# Altium PCB 7688A-KIT-V2.2.PcbDoc
Units mil, origin at the board's own origin, x right, y up, seen from the top; angles counter-clockwise.
Board outline 3543.31 x 3897.64 mil, 2 copper layers (Top Layer, Bottom Layer); 54 components, 98 nets, 335 pads, 168 vias.
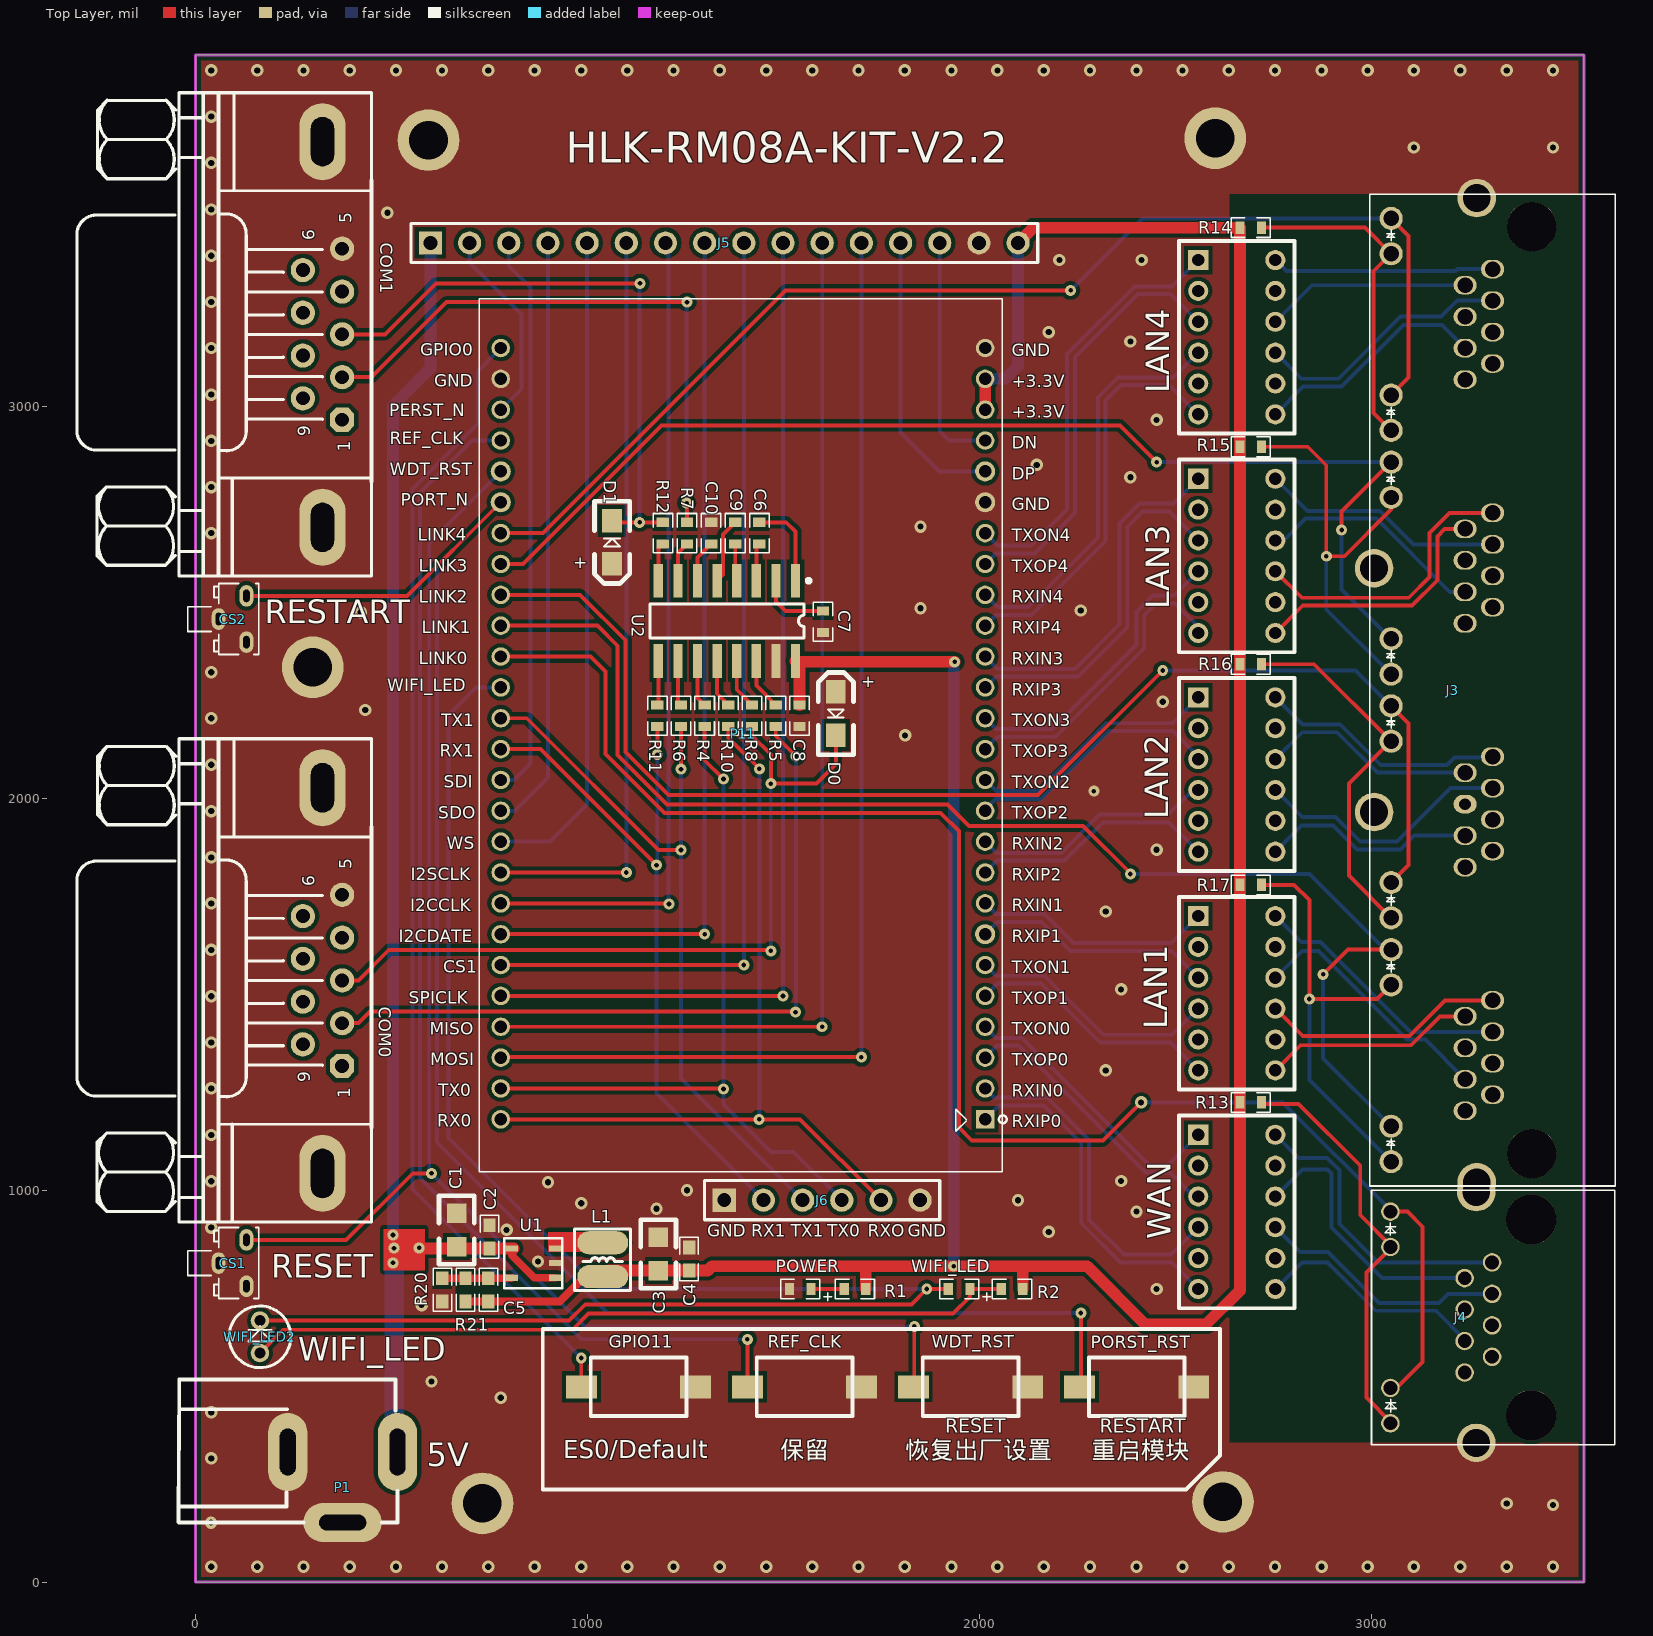
[diagram p0: Top Layer view]
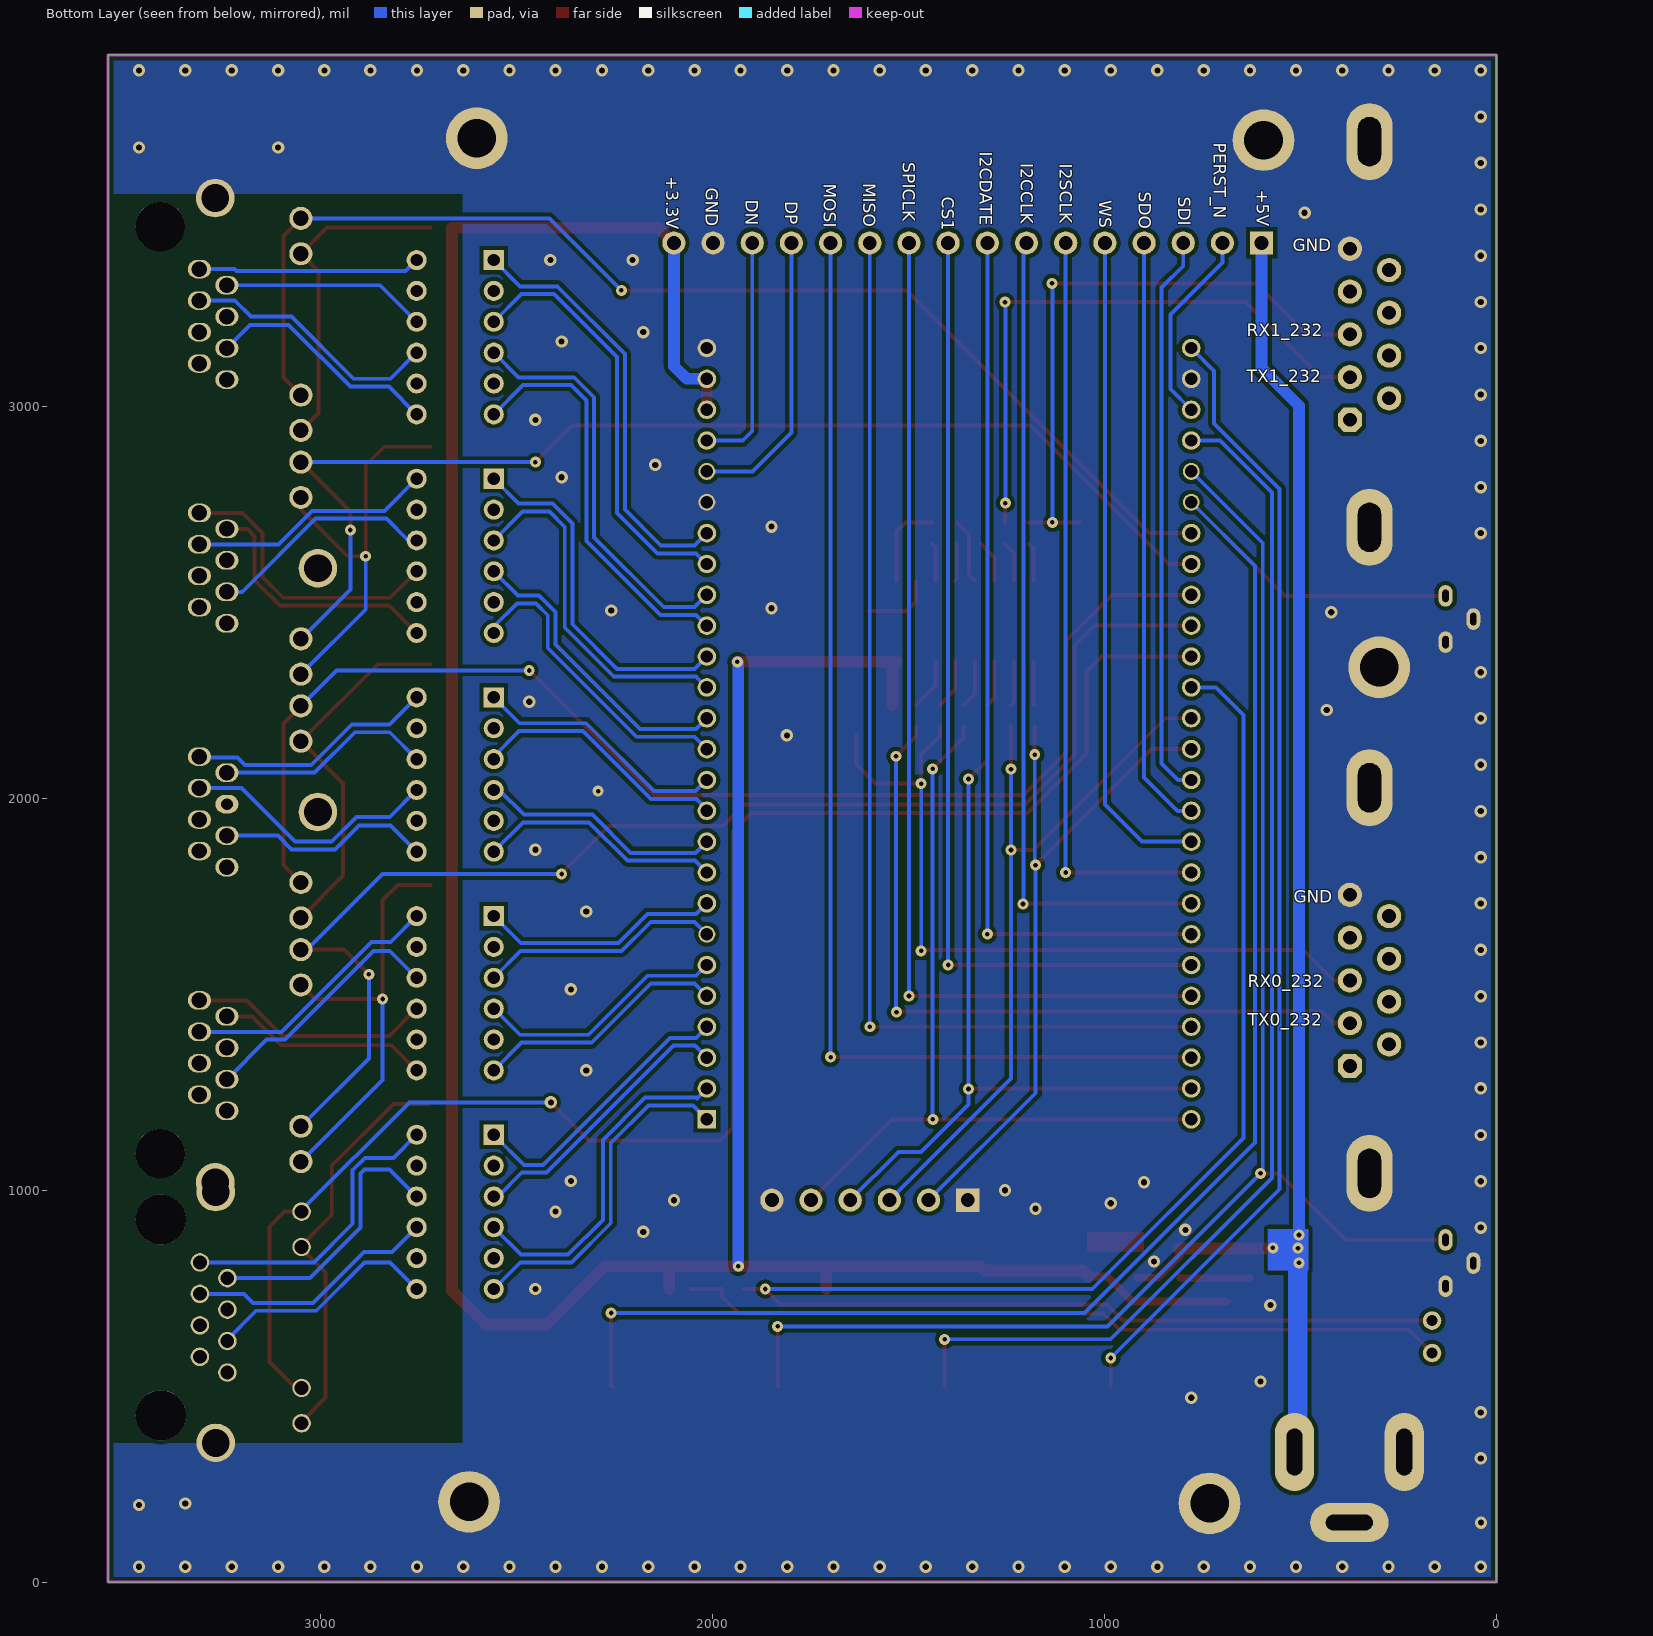
[diagram p1: Bottom Layer view, seen from below]

## Layer stack, top to bottom
Top Layer: signal copper 1.4
Dielectric: dielectric 12.6, FR-4, Dk 4.8
Bottom Layer: signal copper 1.4

## Board outline
0,0 3543.31,0 3543.31,3897.64 0,3897.64

## Design rules (kind name [scope] priority, off if disabled: settings)
Clearance keepout [(HasFootprint('MICRO_USB'))] p1: gap=5
Clearance router [All] p2: gap=10
Clearance polygons [All] p3: gap=20
PlaneConnect [All] p1: planeconnectstyle=Direct reliefexpansion=20 reliefentries=4 reliefconductorwidth=10 reliefairgap=10
PolygonConnect [All] p1: connectstyle=Direct reliefconductorwidth=10 reliefentries=4 polygonreliefangle="90 Angle"
RoutingVias [All] p1: holewidth=15.75 width=31.5 viastyle="Through Hole" minholewidth=12 minwidth=28 maxholewidth=28 maxwidth=50
SilkscreenOverComponentPads [IsPad] p1: minsilkscreentomaskgap=10
SolderMaskExpansion [All] p1: expansion=4
TestPointUsage [All] p1: valid=0 allowmultiple=FALSE
Testpoint [All] p1: side=3 testpointundercomponent=TRUE minsize=40 maxsize=100 preferedsize=60 minholesize=0 maxholesize=40 preferedholesize=32 testpointgrid=1 style=297 order=0123456789
Width [All] p1: maxlimit=40 minlimit=10 preferedwidth=10
22 further rules are at their usual default settings.

## Components (designator, comment, footprint, x,y, rotation, side; value= is the part's Value field where it differs from the comment)
C1 "10uF" 0805 666.48,861.28 r90 top (schematic designator C21)
C2 "104" 0603L 750.43,881.26 r90 top (schematic designator C22)
C3 "10uF" 0805 1181.21,800.11 r90 top (schematic designator C24)
C4 "104" 0603L 1259.84,824.6 r90 top (schematic designator C26)
C5 "100PF" 0603L 747.24,745.86 r90 top (schematic designator C23)
C6 "104" 0603 1438.99,2677.2 r90 top
C7 "104" 0603 1601.21,2450.94 r270 top
C8 "104" 0603 1541.21,2210.94 r270 top
C9 "104" 0603 1377.4,2677.2 r270 top
C10 "104" 0603 1315.82,2677.2 r270 top
COM0 "DB9" DB9s 374.02,1753.99 r90 top (schematic designator J1)
COM1 "DB9" DB9s 374.02,3402.82 r90 top locked (schematic designator J2)
CS1 "SW-PB" K5 59.06,814.24 r180 top
CS2 "SW-PB" K5 59.06,2457.94 r180 top
D0 "ZMM5V1" 1005D 1634.37,2271.7 r270 top
D1 "ZMM5V1" 1005D 1062.99,2598.43 r90 top
GPIO11 "SW-PB" SWITCH 1125.01,498.27 r180 top (schematic designator RESET4)
J3 "RJ45-4" RJ45-4-LED 3240.16,1824.8 r90 top
J4 "RJ45" RJ45-1-LED 3308.99,815.94 r90 top
J5 "2.54*16" HDR1X16 599.37,3417.7 r0 top
J6 "2.54*6" HDR1X6 1349.37,974.7 r0 top
L1 "4.7uH" L322520 1039.37,822.83 r0 top (schematic designator L2)
LAN1 "TF-1016DG" tf-1016dg 2559.06,1699.8 r270 top locked
LAN2 "TF-1016DG" tf-1016dg 2559.06,2257.87 r270 top locked
LAN3 "TF-1016DG" tf-1016dg 2559.06,2815.94 r270 top locked
LAN4 "TF-1016DG" tf-1016dg 2559.06,3374.02 r270 top locked
P1 "PWR2.5" POWER_STK1 375.37,352 r0 top locked
P11 "RM08A" RM08K_52pin 2015.2,1181.1 r90 top locked
PORST_RST "SW-PB" SWITCH 2396.11,498.27 r180 top (schematic designator RESET1)
POWER "" 0603LED 1543.31,748.06 r180 top (schematic designator LED1)
R1 "Res1" 0603 1682.86,748.06 r0 top
R2 "Res1" 0603 2083.89,748.06 r0 top
R4 "0" 0603 1299.48,2210.94 r90 top
R5 "0" 0603 1480.78,2210.94 r270 top
R6 "0" 0603 1239.05,2210.94 r90 top
R7 "0" 0603 1254.23,2677.2 r90 top
R8 "0" 0603 1420.35,2210.94 r270 top
R10 "0" 0603 1359.92,2210.94 r90 top
R11 "0" 0603 1178.62,2210.94 r90 top
R12 "0" 0603 1192.65,2677.2 r90 top
R13 "Res1" 0603 2692.91,1224.41 r180 top (schematic designator R1)
R14 "Res1" 0603 2692.91,3456.69 r180 top (schematic designator R1)
R15 "Res1" 0603 2692.91,2897.64 r180 top (schematic designator R1)
R16 "Res1" 0603 2692.91,2342.52 r180 top (schematic designator R1)
R17 "Res1" 0603 2692.91,1779.53 r180 top (schematic designator R1)
R20 "Res1" 0603L 629.92,745.86 r90 top (schematic designator R10)
R21 "Res1" 0603L 688.98,745.86 r270 top (schematic designator R9)
REF_CLK "SW-PB" SWITCH 1548.71,498.27 r180 top (schematic designator RESET3)
U1 "SY8009" SOT-25 917.32,776.59 r90 top (schematic designator LDO1)
U2 "SP3232" MAX3232 1161.21,2510.94 r0 top
WAN "TF-1016DG" tf-1016dg 2559.06,1141.73 r270 top locked
WDT_RST "SW-PB" SWITCH 1972.41,498.27 r180 top (schematic designator RESET2)
WIFI_LED "" 0603LED 1948.82,748.06 r180 top (schematic designator LED2)
WIFI_LED2 "" LED0.2 164.37,584.65 r90 top

## Footprints (in the part's own frame and the unit in brackets; to place one, negate y for a bottom-side part, rotate by r counter-clockwise, add the part's x,y. Pads: shape width x height; smd on the part's side, far side on the other; paste and mask are expansions set on the pad)
0603 [mm]
  rect 0.6x0.8 smd: 1(-0.7,0) 2(0.7,0)
  silkscreen extent -1.27,-0.64 1.27,0.64
0603L [mm]
  rect 0.9x0.8 smd: 1(-0.75,0) 2(0.75,0)
  silkscreen extent -1.4,-0.6 1.4,0.6
0603LED [mm]
  rect 0.6x0.8 smd: 1(-0.7,0) 2(0.7,0)
  silkscreen extent -2.03,-0.64 1.27,0.76
0805 [mil]
  rect 50x50 smd: 1(-5,0) 2(80,0)
  silkscreen extent -50,-45 125,45
1005D [mil]
  rect 60x50 smd: 1(0,0) 2(110,0)
  silkscreen extent -50,-45 160,45
DB9s [mil]
  oval 196.85x118.11 hole 59.06 slot 125.98 at 0 deg: 0(273.33,50) 10(-710.83,50)
  oct 62x62 hole 35: 1(-436.67,0)
  round 62 hole 35: 2(-327.5,0) 5(0,0) 6(-54.17,100) 7(-163.33,100) 8(-272.5,100) 9(-381.67,100)
  round 62.01 hole 35: 3(-218.35,0) 4(-109.17,0)
  silkscreen extent -835,-75 398,677
HDR1X6 [mm] "Connector; Header; 6 Position"
  rect 1.5x1.5 hole 0.9: 1(0,0)
  round 1.5 hole 0.9: 2(2.54,0) 3(5.08,0) 4(7.62,0) 5(10.16,0) 6(12.7,0)
  silkscreen extent -1.27,-1.27 13.97,1.27
HDR1X16 [mm] "Connector; Header; 16 Position"
  rect 1.5x1.5 hole 0.9: 1(0,0)
  round 1.5 hole 0.9: 2(2.54,0) 3(5.08,0) 4(7.62,0) 5(10.16,0) 6(12.7,0) 7(15.24,0) 8(17.78,0) 9(20.32,0) 10(22.86,0) 11(25.4,0) 12(27.94,0) 13(30.48,0) 14(33.02,0) 15(35.56,0) 16(38.1,0)
  silkscreen extent -1.27,-1.27 39.37,1.27
K5 [mm]
  oval 0.9x1.4 hole 0.4 slot 0.8 at 90 deg: 1(-1.8,1.5) 2(-1.8,-1.5) 3(0,0)
  silkscreen extent -2.6,-2.3 2,2.3
L322520 [mm]
  oval 3.3x1.5 smd: 1(0,1.1) 2(0,-1.1)
  silkscreen extent -1.83,-1.99 1.79,2
LED0.2 [mm]
  round 1.2 hole 0.7: 1(0,0) 2(2.1,0)
  silkscreen extent -0.95,-2 3.05,2
MAX3232 [mm]
  rect 0.6x2.2 smd: 1(9.398,1.136) 2(8.128,1.136) 3(6.858,1.136) 4(5.588,1.136) 5(4.318,1.136) 6(3.048,1.136) 7(1.778,1.136) 8(0.508,1.136) 9(0.508,-4.064) 10(1.778,-4.064) 11(3.048,-4.064) 12(4.318,-4.064) 13(5.588,-4.064) 14(6.858,-4.064) 15(8.128,-4.064) 16(9.398,-4.064)
  silkscreen extent -0.05,-2.56 10.37,1.26
POWER_STK1 [mil]
  oval 100x200 hole 40 slot 120 at 90 deg: 1(-140,-20) 2(140,-20)
  oval 200x100 hole 40 slot 120 at 0 deg: 3(0,-200)
  silkscreen extent -418,-200 140,165
RJ45-1-LED [mm]
  round 2.5 hole 1.8: 0(4.56,1.02) 13(-11.7,1.02)
  round 1.2 hole 0.89: 1(0,0) 2(-1.02,1.78) 3(-2.04,0) 4(-3.06,1.78) 5(-4.08,0) 6(-5.1,1.78) 7(-6.12,0) 8(-7.14,1.78) 9(3.29,6.59) 10(1,6.59) 11(-8.14,6.59) 12(-10.43,6.59)
  round 3.25 hole 3.25: ""(-9.92,-2.54) ""(2.78,-2.54)
  silkscreen extent -11.81,-7.96 4.67,7.82
RJ45-4-LED [mm]
  round 2.5 hole 1.8: 0(43.37,-0.76) 49(-20.43,-0.76) ""(3.57,5.902) ""(19.37,5.902)
  round 1.5 hole 1: 1(42.051,4.797) 2(39.761,4.797) 11(30.6,4.8) 12(28.31,4.8) 13(26.251,4.797) 14(23.961,4.797) 23(14.8,4.8) 24(12.51,4.8) 25(10.451,4.797) 26(8.161,4.797) 35(-1,4.8) 36(-3.29,4.8) 37(-5.349,4.797) 38(-7.639,4.797) 47(-16.8,4.8) 48(-19.09,4.8)
  oval 1.2x1.5 hole 1: 3(38.761,-1.778) 4(37.72,0) 5(36.721,-1.778) 6(35.68,0) 7(34.681,-1.778) 8(33.64,0) 9(32.641,-1.778) 10(31.6,0) 15(22.961,-1.778) 16(21.92,0) 17(20.921,-1.778) 18(19.88,0) 19(18.881,-1.778) 20(17.84,0) 21(16.841,-1.778) 22(15.8,0) 27(7.161,-1.778) 28(6.12,0) 29(5.121,-1.778) 31(3.081,-1.778) 32(2.04,0) 33(1.041,-1.778) 34(0,0) 39(-8.639,-1.778) 40(-9.68,0) 41(-10.679,-1.778) 42(-11.72,0) 43(-12.719,-1.778) 44(-13.76,0) 45(-14.759,-1.778) 46(-15.8,0)
  oval 1.2x1.5 hole 0.762: 30(4.08,0)
  round 3.2 hole 3.2: ""(-18.58,-4.32) ""(41.52,-4.32)
  silkscreen extent -20.67,-9.72 43.61,6.18
RM08K_52pin [mm]
  rect 1.2x1.2 hole 0.8: 1(0,0)
  round 1.2 hole 0.8: 2(2,0) 3(4,0) 4(6,0) 5(8,0) 6(10,0) 8(14,0) 9(16,0) 10(18,0) 11(20,0) 12(22,0) 13(24,0) 14(26,0) 15(28,0) 16(30,0) 17(32,0) 18(34,0) 19(36,0) 20(38,0) 23(44,0) 24(46,0) 25(48,0) 26(50,0) 27(50,31.4) 28(48,31.4) 29(46,31.4) 30(44,31.4) 33(38,31.4) 34(36,31.4) 35(34,31.4) 36(32,31.4) 37(30,31.4) 38(28,31.4) 39(26,31.4) 40(24,31.4) 41(22,31.4) 42(20,31.4) 43(18,31.4) 44(16,31.4) 45(14,31.4) 46(12,31.4) 47(10,31.4) 48(8,31.4) 49(6,31.4) 50(4,31.4) 51(2,31.4) 52(0,31.4)
  round 1.3 / inner round 1.1 / far side round 1.1 hole 0.8: 7(12,0) 22(42,0)
  round 1.3 / inner round 1.3 / far side round 1.1 hole 0.8: 21(40,0) 31(42,31.4) 32(40,31.4)
  silkscreen extent -3.4,-1.4 53.2,32.8
SOT-25 [mm]
  rect 0.4x0.8 smd: 1(0,0) 2(0.95,0) 3(1.9,0) 4(1.9,2.8) 5(0,2.8)
  silkscreen extent -0.68,-0.48 2.58,3.28
SWITCH [mm]
  rect 2x1.5 smd: 1(-3.844,0) 2(3.556,0)
  silkscreen extent -3.24,-1.9 2.96,1.9
tf-1016dg [mm]
  rect 1.3x1.3 hole 0.8: 1(0,0)
  round 1.3 hole 0.8: 2(2,0) 3(4,0) 4(6,0) 5(8,0) 6(10,0) 7(10,5) 8(8,5) 9(6,5) 10(4,5) 11(2,5) 12(0,5)
  silkscreen extent -1.25,-1.25 11.25,6.25

## Part data
C1 C2 C3 C4: library part PART_C0603
C5: library part PART_C0201
C6 C7 C8 C9 C10: library part Cap, "Capacitor"
GPIO11 PORST_RST REF_CLK WDT_RST: "Switch"
L1: library part PART_LL
P1: "Low Voltage Power Supply Connector"
POWER WIFI_LED: library part LED
R1 R2 R13 R14 R15 R16 R17: "Resistor"
R4 R5 R6 R7 R8 R10 R11 R12: library part Res2, "Resistor"
R20 R21: library part PART_R0201
U1: library part LDO
U2: library part MAX232ACPE, "+5V Powered, Multi-Channel RS-232 Driver/Receiver"

## Free pads (board coordinates)
  round 157.48 hole 98.43: 0(299.21,2334.65) 1(594.49,3680.09) 1(2602.36,3685.04) 2(2622.05,204.72) 3(732.28,200.79)

## Via types
v1: diameter 31.5, hole 15.75, Top Layer to Bottom Layer, tented both sides, 124 vias
v2: diameter 28, hole 12, Top Layer to Bottom Layer, tented both sides, 44 vias

## Nets (pads, with @x,y where several pads share a name; then routed paths per layer and width w, separated by ;. In a path a pad name is that pad's centre, name@x,y a point inside that pad or via, vN(x,y) a via of type N, cw(c..) or ccw(c..) an arc to the next point about the centre after c; other vN are vias at no path point)
+3.3V: C3.1 C4.1 C5.1 C8.1 J5.16 L1.2 P11.24 P11.25 R1.2 R2.2 R13.2 R14.2 R15.2 R16.2 R17.2 R21.2 U2.16 | length 8077.6
  Top Layer w20: R21.2 C5.1 929.33,716.33 992.52,779.52 L1.2
  Top Layer w30: L1.2 1054.95,795.11 C3.1 1306.92,795.11 1317.91,806.1 1708.66,806.1 ; U2.16 U2.16@1533.45,2348.7 ; C8.1 1541.21,2340.94 U2.16@1533.45,2348.7 ; R1.2 1710.42,804.35 1708.66,806.1 ; v2(1937.37,2348.7) U2.16@1533.45,2348.7 ; P11.24 P11.25 ; J5.16 2138.36,3456.69 R14.2 R15.2 R16.2 R17.2 R13.2 2665.35,744.09 2578.74,657.48 2424.21,657.48 2275.59,806.1 2110.24,806.1 ; R2.2 2111.45,804.89 2110.24,806.1 ; 1708.66,806.1 v2(1935.04,806.1) 2110.24,806.1
  Bottom Layer w30: v2(1935.04,806.1) 1935.04,2346.37 v2(1937.37,2348.7) ; P11.25 2066.54,3070.87 2099.37,3103.7 J5.16
CS1: J5.9 P11.47 | length 2463.3
  Top Layer w10: P11.47 v2(1399.37,1574.8)
  Bottom Layer w10: v2(1399.37,1574.8) J5.9
DN: J5.14 P11.23 | length 605.9
  Bottom Layer w10: J5.14 1899.37,2937.7 1923.68,2913.39 P11.23
DP: J5.13 P11.22 | length 740.9
  Bottom Layer w10: J5.13 1799.37,2933.7 1898.43,2834.65 P11.22
GND: C1.2 C2.2 C3.2 C4.2 C7.2 C8.2 C10.1 COM0.0 COM0.5 COM0.10 COM1.0 COM1.5 COM1.10 CS1.1 CS1.3 CS2.1 CS2.3 D0.1 D1.1 GPIO11.1 J3.0 J4.13 J5.15 J6.1 J6.6 P1.1 P1.3 P11.21 P11.26 P11.28 pad.0 pad.1 pad.2 pad.3 PORST_RST.1 POWER.2 R20.1 REF_CLK.1 U1.2 U2.15 WDT_RST.1
  other v1: 40.16,39.37 157.48,39.37 275.59,39.37 393.7,39.37 511.81,39.37 629.13,39.37 747.24,39.37 865.35,39.37 984.37,39.37 1101.69,39.37 1219.8,39.37 1337.91,39.37 1456.69,39.37 1574.02,39.37 1692.13,39.37 1810.24,39.37 1929.13,39.37 2046.46,39.37 2164.57,39.37 2282.68,39.37 2401.57,39.37 2518.9,39.37 2637.01,39.37 2755.12,39.37 2874.02,39.37 2991.34,39.37 3109.45,39.37 3227.56,39.37 3346.46,39.37 3464.57,39.37 39.37,151.76 3464.57,196.85 3346.46,200.79 40.16,315.75 40.16,433.07 778.98,470.55 602.36,511.81 577,707 2452.81,748.03 874,818.03 2177.52,893.89 794,899 40.16,904.72 2401.57,945.47 1176.37,953 984.37,966.96 2098.89,974.7 1254.37,1000.1 899.37,1020.47 40.16,1022.83 2362.2,1023.62 40.16,1140.94 40.16,1259.96 2322.83,1306.1 40.16,1377.28 40.16,1495.39 2362.2,1512.68 40.16,1613.5 2322.83,1711.5 40.16,1732.28 40.16,1849.61 2452.81,1868.98 40.16,1967.72 40.16,2085.83 1811.02,2160.94 40.16,2204.72 433.07,2225.94 2468.5,2246.7 40.16,2322.05 421.78,2475.43 2259.37,2479.7 1850.39,2485.61 40.16,2677.17 1850.39,2693.78 40.16,2794.49 2385.83,2819.67 2146.78,2851.26 40.16,2912.6 2452.81,2966.15 40.16,3030.71 40.16,3149.61 2385.83,3166.22 2177.52,3190.21 40.16,3266.93 2204.72,3374.02 2414.55,3374.02 40.16,3385.04 489.54,3494.72 40.16,3503.15 40.16,3622.05 3109.45,3661.42 3464.57,3661.42 40.16,3740.16 40.16,3858.27 157.48,3858.27 275.59,3858.27 393.7,3858.27 511.81,3858.27 629.13,3858.27 747.24,3858.27 865.35,3858.27 984.37,3858.27 1101.69,3858.27 1219.8,3858.27 1337.91,3858.27 1456.69,3858.27 1574.02,3858.27 1692.13,3858.27 1810.24,3858.27 1929.13,3858.27 2046.46,3858.27 2164.57,3858.27 2282.68,3858.27 2401.57,3858.27 2518.9,3858.27 2637.01,3858.27 2755.12,3858.27 2874.02,3858.27 2991.34,3858.27 3109.45,3858.27 3227.56,3858.27 3346.46,3858.27 3464.57,3858.27
  other v2: 2292.67,2018.7
GPIO: GPIO11.2 P11.27 | length 2923.6
  Top Layer w10: v2(984.37,571.7) 984.37,498.91 GPIO11.2
  Bottom Layer w10: P11.27 720.39,3091.02 720.39,2956.61 553.36,2789.58 553.36,1002.71 v2(984.37,571.7)
I2CCLK: J5.7 P11.45 | length 2131.7
  Top Layer w10: P11.45 1206.79,1732.28 v2(1208.37,1730.7)
  Bottom Layer w10: J5.7 1207.37,3409.7 1207.37,1740.28 1199.37,1732.28 1200.95,1730.7 v2(1208.37,1730.7)
I2CDATE: J5.8 P11.46 | length 2284.5
  Top Layer w10: P11.46 v2(1299.37,1653.54)
  Bottom Layer w10: v2(1299.37,1653.54) J5.8
I2SCLK: J5.6 P11.44 | length 1927.1
  Top Layer w10: P11.44 v2(1099.37,1811.02)
  Bottom Layer w10: v2(1099.37,1811.02) J5.6
L0: J4.10 J4.12 R13.1 | length 1064.4
  Top Layer w10: R13.1 2724.41,1220.47 2814.96,1220.47 2972.44,1062.99 2972.44,936.42 3053.54,855.31 2988,789.77 2988,470.86 J4.12@3053.54,405.31
L1: J3.38 J3.48 R17.1 | length 1115.7
  Top Layer w10: R17.1 2803.82,1779.53 2842.52,1740.83 v2(2842.52,1488.19) 3015.42,1488.19 J3.38
  Bottom Layer w10: v2(2842.52,1488.19) 2842.52,1281.89 J3.48
L2: J3.26 J3.36 R16.1 | length 952.2
  Top Layer w10: R16.1 2854.9,2342.52 J3.26 2943.58,2038.4 2943.58,1802.87 J3.36
L3: J3.14 J3.24 R15.1 | length 1032.2
  Top Layer w10: R15.1 2838.58,2897.64 2885.83,2850.39 v2(2885.83,2618.11) 2932.09,2618.11 3051.3,2737.32 J3.14
  Bottom Layer w10: v2(2885.83,2618.11) 2885.83,2482.68 J3.24
L4: J3.2 J3.12 R14.1 | length 846.1
  Top Layer w10: R14.1 2984.82,3456.69 J3.2 3006.65,3345.57 3006.65,2983.9 J3.12
LINK0: J4.9 J4.11 P11.37 | length 4053
  Top Layer w10: P11.37 1007.87,2362.2 1046.37,2323.7 1046.37,2113.13 1196.5,1963 1901.74,1963 1948,1916.74 1948,1160 1981,1127 2315.98,1127 v1(2413.39,1224.41) ; J4.11@3053.54,495.47 3064.81,495.47 3131.54,562.19 3131.54,906.85 3092.91,945.47 J4.9@3053.54,945.47
  Bottom Layer w10: v1(2413.39,1224.41) 2774.61,1224.41 J4.9@3053.54,945.47
LINK1: J3.37 J3.47 P11.36 | length 3438
  Top Layer w10: P11.36 1026.13,2440.94 1077.37,2389.7 1077.37,2110.42 1202.79,1985 1918.88,1985 1974,1929.88 2265.19,1929.88 v2@2386.91,1808.17 ; v2(2877.95,1551.18) 2941,1614.23 J3.37
  Bottom Layer w10: v2(2385.83,1807.09) 2843.24,1807.09 3036.1,1614.23 J3.37 ; v2(2877.95,1551.18) 2877.95,1336.61 J3.47
LINK2: J3.25 J3.35 P11.35 | length 3308
  Top Layer w10: P11.35 981.39,2519.68 1097.37,2403.7 1097.37,2118.7 1207.45,2008.62 2150.35,2008.62 v2(2468.5,2326.77) ; J3.35 3095.83,1830.08 3095.83,2191.75 J3.25
  Bottom Layer w10: v2(2468.5,2326.77) 2960.8,2326.77 J3.25
LINK3: J3.13 J3.23 P11.34 | length 3012.8
  Top Layer w10: P11.34 836.09,2598.42 1189.68,2952.01 2359.13,2952.01 v2(2452.81,2858.32) ; v2(2925.2,2685.04) 2925.2,2732.22 J3.13
  Bottom Layer w10: v2(2452.81,2858.32) J3.13 ; v2(2925.2,2685.04) 2925.2,2533.46 J3.23
LINK4: J3.1 J3.11 P11.33 | length 3092.8
  Top Layer w10: P11.33 886.55,2677.16 1506.09,3296.7 v2(2233.37,3296.7) ; J3.11 3095.83,3074.17 3095.83,3435.84 J3.1
  Bottom Layer w10: v2(2233.37,3296.7) 2417.04,3480.37 J3.1
MISO: J5.11 P11.49 | length 2820.8
  Top Layer w10: P11.49 v2(1599.37,1417.32)
  Bottom Layer w10: v2(1599.37,1417.32) J5.11
MOSI: J5.12 P11.50 | length 2998.8
  Top Layer w10: P11.50 780.1,1339.7 v2(1699.37,1339.7)
  Bottom Layer w10: v2(1699.37,1339.7) J5.12
NetC5_2: C5.2 R20.2 R21.1 U1.5 | length 177.7
  Top Layer w20: R20.2 R21.1 C5.2 805.89,775.39 U1.5
NetC6_1: C6.1 U2.3 | length 97.2
  Top Layer w10: U2.3 1431.21,2641.87 C6.1
NetC6_2: C6.2 U2.1 | length 227.5
  Top Layer w10: C6.2 1507.62,2704.76 1531.21,2681.16 U2.1
NetC7_1: C7.1 U2.2 | length 182.9
  Top Layer w10: U2.2 1481.21,2502.86 1505.57,2478.5 C7.1
NetC9_1: C9.1 U2.5 | length 168.2
  Top Layer w10: U2.5 1346.65,2571.1 1346.65,2674.01 C9.1
NetC9_2: C9.2 U2.4 | length 95.6
  Top Layer w10: C9.2 1377.4,2559.47 U2.4
NetC10_2: C10.2 U2.6 | length 108.3
  Top Layer w10: U2.6 1281.21,2615.03 C10.2
NetJ3_3: J3.3 LAN4.12 | length 568.1
  Bottom Layer w10: LAN4.12 2784.24,3345.68 3215.47,3345.68 3220.63,3350.84 J3.3
NetJ3_4: J3.4 LAN4.10 | length 522.9
  Bottom Layer w10: LAN4.10 2849.21,3309.84 J3.4
NetJ3_5: J3.5 LAN4.9 | length 664.4
  Bottom Layer w10: LAN4.9 2822.52,3071.18 2916.91,3071.18 3075.26,3229.53 3179.02,3229.53 3220.02,3270.53 J3.5
NetJ3_8: J3.8 LAN4.7 | length 603.5
  Bottom Layer w10: LAN4.7 2826.77,3051.18 2925.2,3051.18 3082.68,3208.66 3180.71,3208.66 J3.8
NetJ3_15: J3.15 LAN3.9 | length 737.8
  Top Layer w10: LAN3.9 2823.5,2512.13 3096.34,2512.13 3149.29,2565.08 3149.29,2677.34 3200.75,2728.8 J3.15
NetJ3_16: J3.16 LAN3.7 | length 660
  Top Layer w10: LAN3.7 2825.79,2492.13 3104.62,2492.13 3169.29,2556.79 3169.29,2669.06 3188.03,2687.8 J3.16
NetJ3_17: J3.17 LAN3.12 | length 623.6
  Bottom Layer w10: LAN3.12 2837.81,2734.04 3022.45,2734.04 3108.01,2648.48 J3.17
NetJ3_20: J3.20 LAN3.10 | length 584.7
  Bottom Layer w10: LAN3.10 2777.24,2658.46 2832.82,2714.04 3014.17,2714.04 3201.04,2527.17 J3.20
NetJ3_27: J3.27 LAN2.12 | length 634.2
  Bottom Layer w10: LAN2.12 2824.8,2188.98 2921.57,2188.98 3024.8,2085.75 3194.02,2085.75 3212.64,2104.37 3307.78,2104.37 J3.27
NetJ3_28: J3.28 LAN2.10 | length 555.4
  Bottom Layer w10: LAN2.10 2824.49,2168.98 2913.29,2168.98 3016.52,2065.75 J3.28
NetJ3_29: J3.29 LAN2.9 | length 665.5
  Bottom Layer w10: LAN2.9 2824.49,1953.07 2909.13,1953.07 2972.44,1889.76 3066.6,1889.76 3203.27,2026.43 J3.29
NetJ3_32: J3.32 LAN2.7 | length 551.5
  Bottom Layer w10: LAN2.7 2822.2,1930.47 2903.45,1930.47 2964.16,1869.76 3074.88,1869.76 3110.24,1905.12 J3.32
NetJ3_39: J3.39 LAN1.9 | length 620.9
  Top Layer w10: LAN1.9 2825.79,1393.7 3097.7,1393.7 3188.7,1484.7 J3.39
NetJ3_40: J3.40 LAN1.7 | length 541.2
  Top Layer w10: LAN1.7 2819.88,1370.08 3102.36,1370.08 3175.98,1443.7 J3.40
NetJ3_41: J3.41 LAN1.12 | length 676.6
  Bottom Layer w10: LAN1.12 2821.85,1633.86 2870.8,1633.86 3100.28,1404.39 J3.41
NetJ3_44: J3.44 LAN1.10 | length 648.5
  Bottom Layer w10: LAN1.10 2824.49,1610.91 2865.47,1610.91 3091.99,1384.39 3138.84,1384.39 J3.44
NetJ4_1: J4.1 WAN.12 | length 772
  Bottom Layer w10: WAN.12 2814.96,1082.68 2887.8,1082.68 2919.04,1051.44 2919.04,914.96 3018.06,815.94 J4.1@3312.99,815.94
NetJ4_2: J4.2 WAN.10 | length 711.6
  Bottom Layer w10: WAN.10 2824.9,1053.24 2888.95,1053.24 2899.04,1043.16 2899.04,904.72 3027.98,775.79 J4.2@3242.91,775.79
NetJ4_3: J4.3 WAN.9 | length 646.5
  Bottom Layer w10: WAN.9 2818.9,842.52 2890.49,842.52 3020.41,712.6 3173.23,712.6 3196.26,735.63 J4.3@3312.99,735.63
NetJ4_6: J4.6 WAN.7 | length 598.3
  Bottom Layer w10: WAN.7 2823.82,815.94 2888.78,815.94 3012.13,692.6 3165.47,692.6 J4.6@3242.91,615.16
NETL: J3.49 J4.0
NetL1_1: L1.1 U1.3
NetPOWER_1: POWER.1 R1.1 | length 84.4
  Top Layer w10: POWER.1 R1.1
NetR2_1: R2.1 WIFI_LED2.1 WIFI_LED.1 | length 1971.2
  Top Layer w10: WIFI_LED2.1 223.72,644 962,644 1003.04,685.04 1933.07,685.04 1976.38,728.35 WIFI_LED.1 R2.1
NetR4_2: R4.2 U2.11 | length 120
  Top Layer w10: U2.11 1281.21,2256.76 R4.2
NetR5_1: R5.1 U2.14 | length 133
  Top Layer w10: U2.14 1431.21,2288.06 R5.1
NetR6_2: R6.2 U2.10 | length 115.7
  Top Layer w10: U2.10 1231.21,2246.33 R6.2
NetR7_1: R7.1 U2.7 | length 103.5
  Top Layer w10: U2.7 1231.21,2626.62 R7.1
NetR8_1: R8.1 U2.13 | length 128.7
  Top Layer w10: U2.13 1381.21,2277.63 R8.1
NetR10_2: R10.2 U2.12 | length 124.3
  Top Layer w10: U2.12 1331.21,2267.2 R10.2
NetR11_2: R11.2 U2.9 | length 113.5
  Top Layer w10: R11.2 1181.21,2241.09 U2.9
NetR12_1: R12.1 U2.8 | length 98.7
  Top Layer w10: U2.8 1181.21,2638.2 R12.1
PORST_RST: CS2.2 P11.32 PORST_RST.2 | length 4462.5
  Top Layer w10: CS2.2 540.07,2516.99 P11.32 ; PORST_RST.2 2259.37,501.53 v2(2259.37,686.7)
  Bottom Layer w10: P11.32 616.37,2593.29 616.37,1121.84 1051.51,686.7 v2(2259.37,686.7)
REF_CLK: P11.30 REF_CLK.2 | length 3137.4
  Top Layer w10: v2(1408.37,619.7) 1408.37,498.61 REF_CLK.2
  Bottom Layer w10: P11.30 705.46,2913.39 573.36,2781.29 573.36,1031.3 984.96,619.7 v2(1408.37,619.7)
RERST: J5.2 P11.29 | length 502.5
  Bottom Layer w10: J5.2 699.37,3367.63 832,3235 832,3045.14 P11.29
RX0: J6.5 P11.52 R10.1 | length 2077.9
  Top Layer w10: P11.52 v2@1425.93,1181.1 ; R10.1 1359.92,2154.77 v2(1438.99,2075.7) ; v2(1438.37,1181.1) 1542.97,1181.1 J6.5
  Bottom Layer w10: v2@1438.99,1181.72 v2(1438.99,2075.7)
RX0_232: COM0.3 D0.2 R8.2 | length 1980.9
  Top Layer w10: COM0.3 415.41,1535.65 493.19,1613.42 1465.98,1613.42 v2(1468.32,1611.09) ; R8.2 1420.35,2159.72 1468.37,2111.7 v2(1468.37,2037.7) 1584.37,2037.7 1634.37,2087.7 D0.2
  Bottom Layer w10: v2@1467.99,2038.09 1467.99,1611.42 v2(1468.32,1611.09)
RX1: J6.2 P11.40 R11.1 | length 1842.8
  Top Layer w10: P11.40 880.09,2125.98 v2(1176.37,1829.7) ; v2(1178.37,2111.7) 1178.62,2111.95 R11.1
  Bottom Layer w10: v2(1178.37,2111.7) 1178.37,1831.7 v2(1176.37,1829.7) 1176.37,1247.7 J6.2
RX1_232: COM1.3 D1.2 R12.2 | length 1555.8
  Top Layer w10: COM1.3 483.94,3184.47 614.17,3314.7 v2(1134.37,3314.7) ; D1.2 1066.66,2704.76 v2(1133.37,2704.76) R12.2
  Bottom Layer w10: v2(1133.37,2704.76) 1133.37,3313.7 v2(1134.37,3314.7)
RXIN0: P11.2 WAN.4 | length 869.9
  Bottom Layer w10: P11.2 2040.43,1234.61 2042.35,1236.54 2172.65,1236.54 2280.51,1128.68 2280.51,924.21 2369.09,835.63 2489.17,835.63 WAN.4
RXIN1: LAN1.1 P11.8 | length 614.4
  Bottom Layer w10: P11.8 2042.45,1705.04 2166.75,1705.04 2240.88,1630.91 2490.16,1630.91 LAN1.1
RXIN2: LAN2.4 P11.10 | length 622.1
  Bottom Layer w10: P11.10 2043.75,1861.22 2209.9,1861.22 2307.35,1958.66 2482.38,1958.66 2545.37,2021.65 LAN2.4
RXIN3: LAN3.1 P11.16 | length 908.2
  Bottom Layer w10: P11.16 2046.7,2330.71 2244.09,2330.71 2357.95,2444.57 2357.95,2701.2 2409.04,2752.28 2495.39,2752.28 LAN3.1
RXIN4: LAN4.4 P11.18 | length 1035.8
  Bottom Layer w10: P11.18 2046.7,2488.19 2125.26,2488.19 2302.83,2665.76 2302.83,3024.03 2353.61,3074.8 2496.06,3074.8 LAN4.4
RXIP0: P11.1 WAN.6 | length 872.4
  Bottom Layer w10: P11.1 2050.64,1216.54 2164.37,1216.54 2260.51,1120.39 2260.51,915.93 2360.81,815.63 2491.46,815.63 WAN.6
RXIP1: LAN1.3 P11.7 | length 616
  Bottom Layer w10: P11.7 2046.7,1685.04 2158.46,1685.04 2232.6,1610.91 2490.47,1610.91 LAN1.3
RXIP2: LAN2.6 P11.9 | length 627.6
  Bottom Layer w10: P11.9 2045.4,1841.22 2218.19,1841.22 2315.63,1938.66 2484.57,1938.66 LAN2.6
RXIP3: LAN3.3 P11.15 | length 910.7
  Bottom Layer w10: P11.15 2042.45,2310.71 2252.38,2310.71 2377.95,2436.28 2377.95,2692.91 2417.32,2732.28 2485.24,2732.28 LAN3.3
RXIP4: LAN4.6 P11.17 | length 1038.8
  Bottom Layer w10: P11.17 2042.45,2468.19 2133.54,2468.19 2322.83,2657.48 2322.83,3015.75 2361.89,3054.8 2484.57,3054.8 LAN4.6
SDI: J5.3 P11.41 | length 1444.3
  Bottom Layer w10: P11.41 812.91,2047.24 854.37,2088.7 854.37,3303.7 799.37,3358.7 J5.3
SDO: J5.4 P11.42 | length 1519.7
  Bottom Layer w10: P11.42 814.17,1968.5 899.37,2053.7 J5.4
SPICLK: J5.10 P11.48 | length 2642
  Top Layer w10: P11.48 v2(1499.37,1496.06)
  Bottom Layer w10: v2(1499.37,1496.06) J5.10
TX0: J6.4 P11.51 R4.1 | length 1956.5
  Top Layer w10: P11.51 1346.23,1259.84 v2(1347.37,1258.7) ; R4.1 1299.48,2097.59 v2(1347.37,2049.7)
  Bottom Layer w10: v2(1347.37,2049.7) v2(1347.37,1258.7) 1347.37,1218.65 1468.32,1097.7 1526.37,1097.7 J6.4
TX0_232: COM0.2 R5.2 | length 1919.4
  Top Layer w10: COM0.2 415.41,1426.49 444.86,1455.94 v2@1531.13,1455.94 ; R5.2 1480.78,2159.29 v2(1532.37,2107.7)
  Bottom Layer w10: v2@1532.37,1454.7 v2(1532.37,2107.7)
  other v2: 1531.37,1454.7
TX1: J6.3 P11.39 R6.1 | length 1936.5
  Top Layer w10: P11.39 845.35,2204.72 1181.37,1868.7 v2(1239.05,1868.7) ; v2(1239.05,2074.7) R6.1
  Bottom Layer w10: v2(1239.05,2074.7) v2(1239.05,1868.7) 1239.05,1285.02 J6.3
TX1_232: COM1.2 R7.2 | length 1522.3
  Top Layer w10: COM1.2 448.99,3075.32 640.37,3266.7 v2(1254.37,3266.7) ; v2(1253.37,2753.7) 1254.23,2752.84 R7.2
  Bottom Layer w10: v2(1253.37,2753.7) 1253.37,3265.7 v2(1254.37,3266.7)
TXON0: P11.4 WAN.1 | length 721.6
  Bottom Layer w10: P11.4 2043.43,1389.09 2108.94,1389.09 2433.07,1064.96 2482.28,1064.96 WAN.1
TXON1: LAN1.4 P11.6 | length 645.1
  Bottom Layer w10: P11.6 2042.45,1547.56 2166.75,1547.56 2317.34,1396.97 2492.44,1396.97 LAN1.4
TXON2: LAN2.1 P11.12 | length 654.7
  Bottom Layer w10: P11.12 2043.75,2018.7 2149.87,2018.7 2323.09,2191.93 2493.11,2191.93 LAN2.1
TXON3: LAN3.4 P11.14 | length 770.6
  Bottom Layer w10: P11.14 2042.45,2177.48 2186.34,2177.48 2401.26,2392.4 2401.26,2475.8 2443.49,2518.03 2497.36,2518.03 LAN3.4
TXON4: LAN4.1 P11.20 | length 1091.4
  Bottom Layer w10: P11.20 2046.7,2645.67 2132.87,2645.67 2224.41,2737.2 2224.41,3134.58 2396.91,3307.09 2492.13,3307.09 LAN4.1
TXOP0: P11.3 WAN.3 | length 715.9
  Bottom Layer w10: P11.3 2045.72,1369.09 2100.65,1369.09 2424.79,1044.96 2487.52,1044.96 2548.23,984.25 WAN.3
TXOP1: LAN1.6 P11.5 | length 648.6
  Bottom Layer w10: P11.5 2046.7,1527.56 2158.46,1527.56 2309.06,1376.97 2488.19,1376.97 LAN1.6
TXOP2: LAN2.3 P11.11 | length 663.8
  Bottom Layer w10: P11.11 2015.2,1971.9 2042.01,1998.7 2158.15,1998.7 2331.38,2171.93 2494.41,2171.93 2559.06,2107.28 LAN2.3
TXOP3: LAN3.6 P11.13 | length 788
  Bottom Layer w10: P11.13 2046.7,2157.48 2194.62,2157.48 2421.26,2384.12 2421.26,2467.52 2451.77,2498.03 2500,2498.03 2559.06,2438.98 LAN3.6
TXOP4: LAN4.3 P11.19 | length 1091.1
  Bottom Layer w10: P11.19 2042.45,2625.67 2141.16,2625.67 2244.41,2728.92 2244.41,3126.3 2405.2,3287.09 2488.5,3287.09 LAN4.3
VIN: C1.1 C2.1 J5.1 P1.2 U1.1 U1.4 | length 3585.5
  Top Layer w20: U1.4 807.09,833.99 864.49,776.59 U1.1
  Top Layer w30: v2(506.37,852.16) 506.8,851.73 U1.4@812,851.73
  Bottom Layer w30: 503.94,830.71 503.94,3002.12 599.37,3097.55 J5.1
  Bottom Layer w40: v2@503.94,853.15 v2@503.94,877.75
  Bottom Layer w50: P1.2@507.5,337.61 v2@507.5,814.76
  other v2: 503.94,814.76 570.87,853.15 503.94,885.63
WDT_RST: CS1.2 P11.31 WDT_RST.2 | length 3961.5
  Top Layer w10: CS1.2 384.29,873.29 554.3,1043.31 v2(602.36,1043.31) ; WDT_RST.2 1834.37,500.23 v2(1834.37,652.7)
  Bottom Layer w10: v2@602.36,1043.16 v2(602.36,1043.31) ; P11.31 596.37,2652.03 596.37,1049.3 v2(602.36,1043.31) ; v2(1834.37,652.7) 992.97,652.7 v2(602.36,1043.31)
WIFI_LED: P11.38 WIFI_LED2.2 WIFI_LED.2 | length 4412.5
  Top Layer w10: WIFI_LED2.2 953.32,667.32 994.66,708.66 1826.77,708.66 v2(1866.14,748.03) ; v2@1866.17,748.06 WIFI_LED.2
  Bottom Layer w10: P11.38 716.13,2283.46 645.37,2212.7 645.37,1133.86 1031.52,747.7 ; 1031.86,748.03 v2(1866.14,748.03)
WS: J5.5 P11.43 | length 1692.7
  Bottom Layer w10: P11.43 904.43,1889.76 999.37,1984.7 J5.5
pads on no net: COM0.1 COM0.4 COM0.6 COM0.7 COM0.8 COM0.9 COM1.1 COM1.4 COM1.6 COM1.7 COM1.8 COM1.9 J3. J3.6 J3.7 J3.9 J3.10 J3.18 J3.19 J3.21 J3.22 J3.30 J3.31 J3.33 J3.34 J3.42 J3.43 J3.45 J3.46 J4. J4.4 J4.5 J4.7 J4.8 LAN1.2 LAN1.5 LAN1.8 LAN1.11 LAN2.2 LAN2.5 LAN2.8 LAN2.11 LAN3.2 LAN3.5 LAN3.8 LAN3.11 LAN4.2 LAN4.5 LAN4.8 LAN4.11 WAN.2 WAN.5 WAN.8 WAN.11

## Polygon pours and split planes (outlines as drawn)
GND on Top Layer "Top Layer-No Net" (solid, remove dead copper, pour order 2): 0,3897.64 3543.31,3897.64 3543.31,3543.31 2637.01,3543.31 2637.8,3542.52 2637.8,355.31 3542.32,355.31 3543.31,354.33 3543.31,0 0,0 78.74,78.74 118.11,78.74 78.74,78.74 0,0
GND on Bottom Layer "Top Layer-No Net" (solid, pour order 4): 0,3897.64 3543.31,3897.64 3543.31,3543.31 2637.8,3543.31 2637.8,356.1 2637.01,355.31 2637.99,354.33 3543.31,354.33 3543.31,0 0,0

## Keep-outs
Keep-Out Layer:
  the board outline again, w8

## Other copper
Top Layer:
  rectangle net VIN: 480.32,795.11 585,901.37
  rectangle net NetL1_1: 900,842 1045,894
Bottom Layer:
  rectangle net VIN: 480.32,795.07 583,901.37

## Silkscreen, mask and mechanical layers (free items; w line width, h text height)
Top Overlay:
  lines w4: 1967.37,1177.7 1940.37,1150.7 1940.37,1206.7 1967.37,1179.7
  lines w10: 886.18,236.22 2527.56,236.22 2614.17,322.83 2614.17,645.67 890.12,645.67 886.18,645.67 886.18,236.22
  text "HLK-RM08A-KIT-V2.2" at 944.88,3622.05 h78.74
  text "GPIO0" at 574,3130 h31.5
  text "GND" at 2082.69,3128.83 h31.5
  text "GND" at 609.86,3050.93 h31.5
  text "+3.3V" at 2082.69,3050.09 h31.5
  text "PERST_N" at 494,2975 h31.5
  text "+3.3V" at 2082.69,2971.35 h31.5
  text "REF_CLK" at 496.2,2903.94 h31.5
  text "DN" at 2082.69,2892.61 h31.5
  text "WDT_RST" at 495.45,2825.2 h31.5
  text "DP" at 2082.69,2813.87 h31.5
  text "PORT_N" at 523.19,2746.46 h31.5
  text "GND" at 2082.69,2735.12 h31.5
  text "LINK4" at 566.82,2657.23 h31.5
  text "TXON4" at 2082.69,2656.38 h31.5
  text "+" at 964.57,2587.4 h31.5
  text "LINK3" at 569.82,2578.49 h31.5
  text "TXOP4" at 2082.69,2577.64 h31.5
  text "LINK2" at 569.82,2499.75 h31.5
  text "RXIN4" at 2082.69,2498.9 h31.5
  text "RESTART" at 177.17,2446.85 h60
  text "LINK1" at 577.32,2421.01 h31.5
  text "RXIP4" at 2082.69,2420.16 h31.5
  text "LINK0" at 569.82,2342.27 h31.5
  text "RXIN3" at 2082.69,2341.42 h31.5
  text "+" at 1699.37,2283.46 h31.5
  text "WIFI_LED" at 489.75,2274.02 h31.5
  text "RXIP3" at 2082.69,2262.68 h31.5
  text "TX1" at 627.25,2184.79 h31.5
  text "TXON3" at 2082.69,2183.94 h31.5
  text "RX1" at 623.2,2106.05 h31.5
  text "TXOP3" at 2082.69,2105.2 h31.5
  text "SDI" at 632.95,2027.31 h31.5
  text "TXON2" at 2082.69,2026.46 h31.5
  text "SDO" at 619.45,1948.57 h31.5
  text "TXOP2" at 2082.69,1947.72 h31.5
  text "WS" at 641.35,1869.83 h31.5
  text "RXIN2" at 2082.69,1868.98 h31.5
  text "I2SCLK" at 548.83,1791.09 h31.5
  text "RXIP2" at 2082.69,1790.24 h31.5
  text "I2CCLK" at 547.48,1712.35 h31.5
  text "RXIN1" at 2082.69,1711.5 h31.5
  text "I2CDATE" at 518.24,1633.61 h31.5
  text "RXIP1" at 2082.69,1632.76 h31.5
  text "CS1" at 632.65,1554.87 h31.5
  text "TXON1" at 2082.69,1554.02 h31.5
  text "SPICLK" at 544.78,1476.13 h31.5
  text "TXOP1" at 2082.69,1475.28 h31.5
  text "MISO" at 597.86,1397.39 h31.5
  text "TXON0" at 2082.69,1396.54 h31.5
  text "MOSI" at 599.21,1318.65 h31.5
  text "TXOP0" at 2082.69,1317.8 h31.5
  text "TX0" at 619.75,1239.91 h31.5
  text "RXIN0" at 2082.69,1239.06 h31.5
  text "RX0" at 616.37,1162.7 h31.5
  text "RXIP0" at 2082.69,1160.32 h31.5
  text "GND" at 1305.37,881.15 h31.5
  text "RX1" at 1418.37,881.15 h31.5
  text "TX1" at 1519.37,881.15 h31.5
  text "TX0" at 1612.57,881.15 h31.5
  text "RXO" at 1714.97,881.15 h31.5
  text "GND" at 1817.37,881.15 h31.5
  text "RESET" at 193,776.59 h60
  text "WIFI_LED" at 262,565 h60
  text "RESET" at 1913.39,370.08 h60
  text "RESTART" at 2307.09,370.08 h60
  text "ES0/Default" at 938,301.11 h78.74
  text "保留" at 1492.13,299.72 h78.74
  text "恢复出厂设置" at 1811.02,299.8 h78.74
  text "重启模块" at 2287.4,299.65 h78.74
  text "5V" at 590.55,295.28 h60
Bottom Overlay:
  text "PERST_N" at 722,3674 h31.5 r90
  text "I2CDATE" at 1318.9,3650.15 h31.5 r90
  text "SPICLK" at 1515.72,3623.61 h31.5 r90
  text "I2CCLK" at 1214.4,3620.91 h31.5 r90
  text "I2SCLK" at 1113.95,3619.56 h31.5 r90
  text "+3.3V" at 2118.37,3588.37 h31.5 r90
  text "MISO" at 1616.16,3570.52 h31.5 r90
  text "MOSI" at 1716.6,3569.17 h31.5 r90
  text "GND" at 2017.93,3558.53 h31.5 r90
  text "+5V" at 611.75,3553.28 h31.5 r90
  text "SDO" at 913.07,3548.93 h31.5 r90
  text "SDI" at 812.63,3535.44 h31.5 r90
  text "CS1" at 1415.28,3535.74 h31.5 r90
  text "DN" at 1915.37,3527.79 h31.5 r90
  text "WS" at 1013.51,3527.04 h31.5 r90
  text "DP" at 1815.37,3524.79 h31.5 r90
  text "GND" at 519.77,3396.25 h31.5
  text "RX1_232" at 637.88,3179.72 h31.5
  text "TX1_232" at 637.88,3061.61 h31.5
  text "GND" at 516.76,1734.3 h31.5
  text "RX0_232" at 634.87,1517.76 h31.5
  text "TX0_232" at 634.87,1419.34 h31.5

## Text inside footprints (layer, text, board x,y; h text height)
COM0: Top Overlay "6" at 304.02,1775.66 h31.5 r90; Top Overlay "1" at 395.46,1235.45 h31.5 r90; Top Overlay "5" at 399.02,1818.99 h31.5 r90; Top Overlay "9" at 292.46,1275.45 h31.5 r90
COM1: Top Overlay "6" at 304.02,3424.49 h31.5 r90; Top Overlay "1" at 395.46,2884.27 h31.5 r90; Top Overlay "5" at 399.02,3467.82 h31.5 r90; Top Overlay "9" at 292.46,2924.27 h31.5 r90